# Altium PCB fpga.PcbDoc (part 10 of 11) (continued)
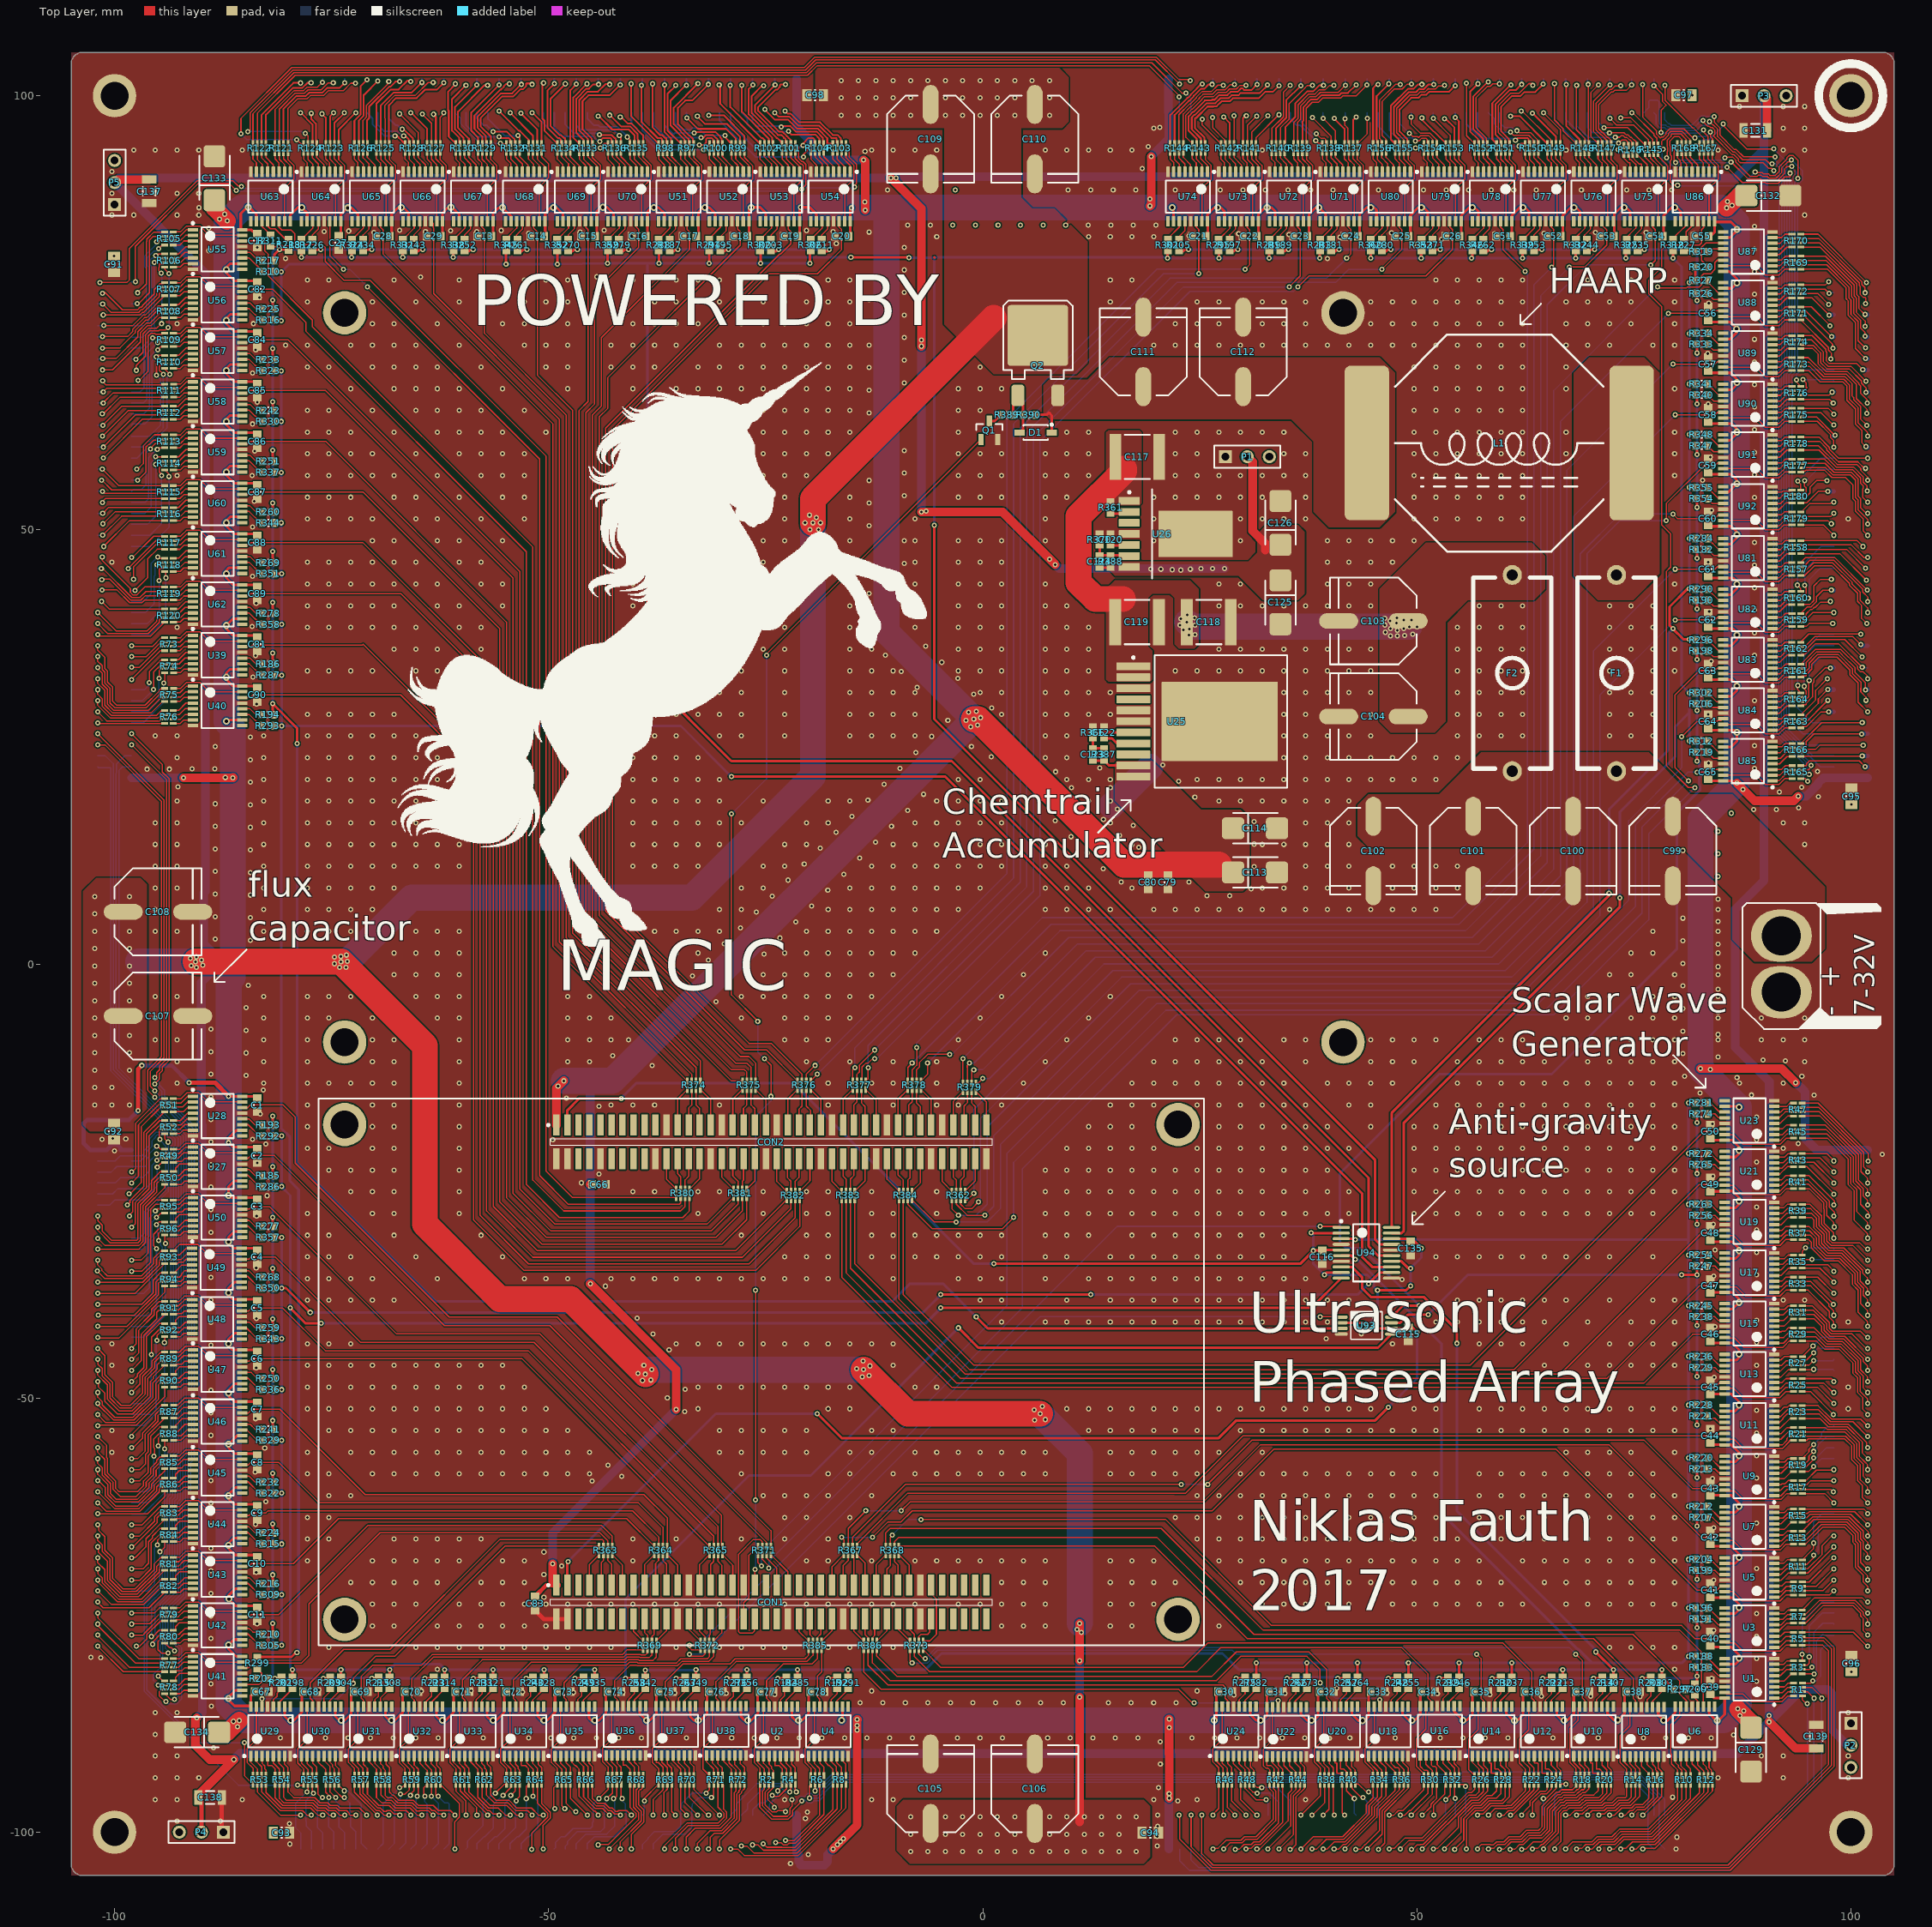
[diagram p0: Top Layer view]
## Nets (pads, with @x,y where several pads share a name; then routed paths per layer and width w, separated by ;. In a path a pad name is that pad's centre, name@x,y a point inside that pad or via, vN(x,y) a via of type N, cw(c..) or ccw(c..) an arc to the next point about the centre after c; other vN are vias at no path point) (continued)
NetR141_1: R141.1 U73.3 | length 2.4
  Top Layer w0.15: R141.1@29.98,93.472 29.98,92.732 30.439,92.273 U73.3@30.439,91.242
NetR141_2: R141.2 U73.2 | length 2.5
  Top Layer w0.15: R141.2@30.48,93.472 30.48,92.68 31.089,92.071 U73.2@31.089,91.242
NetR141_3: R141.3 U73.1 | length 2.5
  Top Layer w0.15: R141.3@30.98,93.472 30.98,92.732 31.739,91.973 U73.1@31.739,91.242
NetR141_4: R141.4 U73.15 | length 8.7
  Top Layer w0.15: U73.15@31.089,85.542 31.089,89.342 32.164,90.417 32.164,91.972 31.48,92.656 R141.4@31.48,93.472
NetR142_1: R142.1 U73.7 | length 2.4
  Top Layer w0.15: R142.1@27.444,93.48 27.444,92.698 27.839,92.303 U73.7@27.839,91.242
NetR142_2: R142.2 U73.6 | length 2.5
  Top Layer w0.15: R142.2@27.944,93.48 27.944,92.667 28.489,92.122 U73.6@28.489,91.242
NetR142_3: R142.3 U73.5 | length 2.5
  Top Layer w0.15: R142.3@28.444,93.48 28.444,92.843 29.139,92.148 U73.5@29.139,91.242
NetR142_4: R142.4 U73.4 | length 2.6
  Top Layer w0.15: R142.4@28.944,93.476 28.944,92.891 29.789,92.046 U73.4@29.789,91.242
NetR143_1: R143.1 U74.3 | length 2.4
  Top Layer w0.15: R143.1@24.138,93.472 24.138,92.732 24.597,92.273 U74.3@24.597,91.242
NetR143_2: R143.2 U74.2 | length 2.5
  Top Layer w0.15: R143.2@24.638,93.472 24.638,92.68 25.247,92.071 U74.2@25.247,91.242
NetR143_3: R143.3 U74.1 | length 2.5
  Top Layer w0.15: R143.3@25.138,93.472 25.138,92.732 25.897,91.973 U74.1@25.897,91.242
NetR143_4: R143.4 U74.15 | length 8.7
  Top Layer w0.15: U74.15@25.247,85.542 25.247,89.342 26.322,90.417 26.322,91.972 25.638,92.656 R143.4@25.638,93.472
NetR144_1: R144.1 U74.7 | length 2.4
  Top Layer w0.15: R144.1@21.602,93.48 21.602,92.698 21.997,92.303 U74.7@21.997,91.242
NetR144_2: R144.2 U74.6 | length 2.5
  Top Layer w0.15: R144.2@22.102,93.48 22.102,92.667 22.647,92.122 U74.6@22.647,91.242
NetR144_3: R144.3 U74.5 | length 2.5
  Top Layer w0.15: R144.3@22.602,93.48 22.602,92.843 23.297,92.148 U74.5@23.297,91.242
NetR144_4: R144.4 U74.4 | length 2.6
  Top Layer w0.15: R144.4@23.102,93.476 23.102,92.891 23.947,92.046 U74.4@23.947,91.242
NetR145_1: R145.1 U75.3 | length 2.5
  Top Layer w0.15: R145.1@76.288,93.328 76.288,92.952 77.175,92.065 U75.3@77.175,91.242
NetR145_2: R145.2 U75.2 | length 2.5
  Top Layer w0.15: R145.2@76.788,93.328 76.913,93.203 76.913,92.834 77.825,91.923 U75.2@77.825,91.242
NetR145_3: R145.3 U75.1 | length 2.6
  Top Layer w0.15: R145.3@77.288,93.328 77.288,92.993 77.301,92.98 77.34,92.98 77.413,92.907 77.413,92.834 77.545,92.703 77.545,92.651 78.475,91.721 U75.1@78.475,91.242
NetR145_4: R145.4 U75.15 | length 8.7
  Top Layer w0.15: R145.4@77.788,93.328 77.788,93.084 78.791,92.081 78.791,92.015 78.9,91.906 78.9,90.417 77.825,89.342 U75.15@77.825,85.542
NetR146_1: R146.1 U75.7 | length 2.9
  Top Layer w0.15: R146.1@73.863,93.259 73.711,93.412 73.711,92.939 74.346,92.303 74.575,92.303 U75.7@74.575,91.242
NetR146_2: R146.2 U75.6 | length 2.5
  Top Layer w0.15: R146.2@74.363,93.259 74.488,93.134 74.488,92.634 74.675,92.634 75.188,92.122 75.225,92.122 U75.6@75.225,91.242
NetR146_3: R146.3 U75.5 | length 2.6
  Top Layer w0.15: R146.3@74.863,93.259 74.863,92.891 75.332,92.422 75.349,92.422 75.624,92.148 75.875,92.148 U75.5@75.875,91.242
NetR146_4: R146.4 U75.4 | length 2.5
  Top Layer w0.15: R146.4@75.363,93.259 76.525,92.098 U75.4@76.525,91.242
NetR147_1: R147.1 U76.3 | length 2.4
  Top Layer w0.15: R147.1@70.874,93.472 70.874,92.732 71.333,92.273 U76.3@71.333,91.242
NetR147_2: R147.2 U76.2 | length 2.5
  Top Layer w0.15: R147.2@71.374,93.472 71.374,92.68 71.983,92.071 U76.2@71.983,91.242
NetR147_3: R147.3 U76.1 | length 2.5
  Top Layer w0.15: R147.3@71.874,93.472 71.874,92.732 72.633,91.973 U76.1@72.633,91.242
NetR147_4: R147.4 U76.15 | length 8.7
  Top Layer w0.15: U76.15@71.983,85.542 71.983,89.342 73.058,90.417 73.058,91.972 72.374,92.656 R147.4@72.374,93.472
NetR148_1: R148.1 U76.7 | length 2.4
  Top Layer w0.15: R148.1@68.338,93.48 68.338,92.698 68.733,92.303 U76.7@68.733,91.242
NetR148_2: R148.2 U76.6 | length 2.5
  Top Layer w0.15: R148.2@68.838,93.48 68.838,92.667 69.383,92.122 U76.6@69.383,91.242
NetR148_3: R148.3 U76.5 | length 2.5
  Top Layer w0.15: R148.3@69.338,93.48 69.338,92.843 70.033,92.148 U76.5@70.033,91.242
NetR148_4: R148.4 U76.4 | length 2.6
  Top Layer w0.15: R148.4@69.838,93.476 69.838,92.891 70.683,92.046 U76.4@70.683,91.242
NetR149_1: R149.1 U77.3 | length 2.4
  Top Layer w0.15: R149.1@65.032,93.472 65.032,92.732 65.491,92.273 U77.3@65.491,91.242
NetR149_2: R149.2 U77.2 | length 2.5
  Top Layer w0.15: R149.2@65.532,93.472 65.532,92.68 66.141,92.071 U77.2@66.141,91.242
NetR149_3: R149.3 U77.1 | length 2.5
  Top Layer w0.15: R149.3@66.032,93.472 66.032,92.732 66.791,91.973 U77.1@66.791,91.242
NetR149_4: R149.4 U77.15 | length 8.7
  Top Layer w0.15: U77.15@66.141,85.542 66.141,89.342 67.216,90.417 67.216,91.972 66.532,92.656 R149.4@66.532,93.472
NetR150_1: R150.1 U77.7 | length 2.4
  Top Layer w0.15: R150.1@62.496,93.48 62.496,92.698 62.891,92.303 U77.7@62.891,91.242
NetR150_2: R150.2 U77.6 | length 2.5
  Top Layer w0.15: R150.2@62.996,93.48 62.996,92.667 63.541,92.122 U77.6@63.541,91.242
NetR150_3: R150.3 U77.5 | length 2.5
  Top Layer w0.15: R150.3@63.496,93.48 63.496,92.843 64.191,92.148 U77.5@64.191,91.242
NetR150_4: R150.4 U77.4 | length 2.6
  Top Layer w0.15: R150.4@63.996,93.476 63.996,92.891 64.841,92.046 U77.4@64.841,91.242
NetR151_1: R151.1 U78.3 | length 2.4
  Top Layer w0.15: R151.1@59.19,93.472 59.19,92.732 59.649,92.273 U78.3@59.649,91.242
NetR151_2: R151.2 U78.2 | length 2.5
  Top Layer w0.15: R151.2@59.69,93.472 59.69,92.68 60.299,92.071 U78.2@60.299,91.242
NetR151_3: R151.3 U78.1 | length 2.5
  Top Layer w0.15: R151.3@60.19,93.472 60.19,92.732 60.949,91.973 U78.1@60.949,91.242
NetR151_4: R151.4 U78.15 | length 8.7
  Top Layer w0.15: U78.15@60.299,85.542 60.299,89.342 61.374,90.417 61.374,91.972 60.69,92.656 R151.4@60.69,93.472
NetR152_1: R152.1 U78.7 | length 2.4
  Top Layer w0.15: R152.1@56.654,93.48 56.654,92.698 57.049,92.303 U78.7@57.049,91.242
NetR152_2: R152.2 U78.6 | length 2.5
  Top Layer w0.15: R152.2@57.154,93.48 57.154,92.667 57.699,92.122 U78.6@57.699,91.242
NetR152_3: R152.3 U78.5 | length 2.5
  Top Layer w0.15: R152.3@57.654,93.48 57.654,92.843 58.349,92.148 U78.5@58.349,91.242
NetR152_4: R152.4 U78.4 | length 2.6
  Top Layer w0.15: R152.4@58.154,93.476 58.154,92.891 58.999,92.046 U78.4@58.999,91.242
NetR153_1: R153.1 U79.3 | length 2.4
  Top Layer w0.15: R153.1@53.348,93.472 53.348,92.732 53.807,92.273 U79.3@53.807,91.242
NetR153_2: R153.2 U79.2 | length 2.5
  Top Layer w0.15: R153.2@53.848,93.472 53.848,92.68 54.457,92.071 U79.2@54.457,91.242
NetR153_3: R153.3 U79.1 | length 2.5
  Top Layer w0.15: R153.3@54.348,93.472 54.348,92.732 55.107,91.973 U79.1@55.107,91.242
NetR153_4: R153.4 U79.15 | length 8.7
  Top Layer w0.15: U79.15@54.457,85.542 54.457,89.342 55.532,90.417 55.532,91.972 54.848,92.656 R153.4@54.848,93.472
NetR154_1: R154.1 U79.7 | length 2.4
  Top Layer w0.15: R154.1@50.812,93.48 50.812,92.698 51.207,92.303 U79.7@51.207,91.242
NetR154_2: R154.2 U79.6 | length 2.5
  Top Layer w0.15: R154.2@51.312,93.48 51.312,92.667 51.857,92.122 U79.6@51.857,91.242
NetR154_3: R154.3 U79.5 | length 2.5
  Top Layer w0.15: R154.3@51.812,93.48 51.812,92.843 52.507,92.148 U79.5@52.507,91.242
NetR154_4: R154.4 U79.4 | length 2.6
  Top Layer w0.15: R154.4@52.312,93.476 52.312,92.891 53.157,92.046 U79.4@53.157,91.242
NetR155_1: R155.1 U80.3 | length 2.4
  Top Layer w0.15: R155.1@47.506,93.472 47.506,92.732 47.965,92.273 U80.3@47.965,91.242
NetR155_2: R155.2 U80.2 | length 2.5
  Top Layer w0.15: R155.2@48.006,93.472 48.006,92.68 48.615,92.071 U80.2@48.615,91.242
NetR155_3: R155.3 U80.1 | length 2.5
  Top Layer w0.15: R155.3@48.506,93.472 48.506,92.732 49.265,91.973 U80.1@49.265,91.242
NetR155_4: R155.4 U80.15 | length 8.7
  Top Layer w0.15: U80.15@48.615,85.542 48.615,89.342 49.69,90.417 49.69,91.972 49.006,92.656 R155.4@49.006,93.472
NetR156_1: R156.1 U80.7 | length 2.4
  Top Layer w0.15: R156.1@44.97,93.48 44.97,92.698 45.365,92.303 U80.7@45.365,91.242
NetR156_2: R156.2 U80.6 | length 2.5
  Top Layer w0.15: R156.2@45.47,93.48 45.47,92.667 46.015,92.122 U80.6@46.015,91.242
NetR156_3: R156.3 U80.5 | length 2.5
  Top Layer w0.15: R156.3@45.97,93.48 45.97,92.843 46.665,92.148 U80.5@46.665,91.242
NetR156_4: R156.4 U80.4 | length 2.6
  Top Layer w0.15: R156.4@46.47,93.476 46.47,92.891 47.315,92.046 U80.4@47.315,91.242
NetR157_1: R157.1 U81.3 | length 2.4
  Top Layer w0.15: U81.3@90.988,45.761 92.019,45.761 92.478,46.22 R157.1@93.218,46.22
NetR157_2: R157.2 U81.2 | length 2.5
  Top Layer w0.15: U81.2@90.988,45.111 91.817,45.111 92.426,45.72 R157.2@93.218,45.72
NetR157_3: R157.3 U81.1 | length 2.5
  Top Layer w0.15: U81.1@90.988,44.461 91.719,44.461 92.478,45.22 R157.3@93.218,45.22
NetR157_4: R157.4 U81.15 | length 8.7
  Top Layer w0.15: U81.15@85.288,45.111 89.088,45.111 90.163,44.036 91.718,44.036 92.402,44.72 R157.4@93.218,44.72
NetR158_1: R158.1 U81.7 | length 2.4
  Top Layer w0.15: U81.7@90.988,48.361 92.049,48.361 92.444,48.756 R158.1@93.226,48.756
NetR158_2: R158.2 U81.6 | length 2.5
  Top Layer w0.15: U81.6@90.988,47.711 91.868,47.711 92.413,48.256 R158.2@93.226,48.256
NetR158_3: R158.3 U81.5 | length 2.5
  Top Layer w0.15: U81.5@90.988,47.061 91.894,47.061 92.589,47.756 R158.3@93.226,47.756
NetR158_4: R158.4 U81.4 | length 2.6
  Top Layer w0.15: U81.4@90.988,46.411 91.792,46.411 92.637,47.256 R158.4@93.222,47.256
NetR159_1: R159.1 U82.3 | length 2.4
  Top Layer w0.15: U82.3@90.988,39.919 92.019,39.919 92.478,40.378 R159.1@93.218,40.378
NetR159_2: R159.2 U82.2 | length 2.5
  Top Layer w0.15: U82.2@90.988,39.269 91.817,39.269 92.426,39.878 R159.2@93.218,39.878
NetR159_3: R159.3 U82.1 | length 2.5
  Top Layer w0.15: U82.1@90.988,38.619 91.719,38.619 92.478,39.378 R159.3@93.218,39.378
NetR159_4: R159.4 U82.15 | length 8.7
  Top Layer w0.15: U82.15@85.288,39.269 89.088,39.269 90.163,38.194 91.718,38.194 92.402,38.878 R159.4@93.218,38.878
NetR160_1: R160.1 U82.7 | length 2.4
  Top Layer w0.15: U82.7@90.988,42.519 92.049,42.519 92.444,42.914 R160.1@93.226,42.914
NetR160_2: R160.2 U82.6 | length 2.5
  Top Layer w0.15: U82.6@90.988,41.869 91.868,41.869 92.413,42.414 R160.2@93.226,42.414
NetR160_3: R160.3 U82.5 | length 2.5
  Top Layer w0.15: U82.5@90.988,41.219 91.894,41.219 92.589,41.914 R160.3@93.226,41.914
NetR160_4: R160.4 U82.4 | length 2.6
  Top Layer w0.15: U82.4@90.988,40.569 91.792,40.569 92.637,41.414 R160.4@93.222,41.414
NetR161_1: R161.1 U83.3 | length 2.4
  Top Layer w0.15: U83.3@90.988,34.077 92.019,34.077 92.478,34.536 R161.1@93.218,34.536
NetR161_2: R161.2 U83.2 | length 2.5
  Top Layer w0.15: U83.2@90.988,33.427 91.817,33.427 92.426,34.036 R161.2@93.218,34.036
NetR161_3: R161.3 U83.1 | length 2.5
  Top Layer w0.15: U83.1@90.988,32.777 91.719,32.777 92.478,33.536 R161.3@93.218,33.536
NetR161_4: R161.4 U83.15 | length 8.7
  Top Layer w0.15: U83.15@85.288,33.427 89.088,33.427 90.163,32.352 91.718,32.352 92.402,33.036 R161.4@93.218,33.036
NetR162_1: R162.1 U83.7 | length 2.4
  Top Layer w0.15: U83.7@90.988,36.677 92.049,36.677 92.444,37.072 R162.1@93.226,37.072
NetR162_2: R162.2 U83.6 | length 2.5
  Top Layer w0.15: U83.6@90.988,36.027 91.868,36.027 92.413,36.572 R162.2@93.226,36.572
NetR162_3: R162.3 U83.5 | length 2.5
  Top Layer w0.15: U83.5@90.988,35.377 91.894,35.377 92.589,36.072 R162.3@93.226,36.072
NetR162_4: R162.4 U83.4 | length 2.6
  Top Layer w0.15: U83.4@90.988,34.727 91.792,34.727 92.637,35.572 R162.4@93.222,35.572
NetR163_1: R163.1 U84.3 | length 2.4
  Top Layer w0.15: U84.3@90.988,28.235 92.019,28.235 92.478,28.694 R163.1@93.218,28.694
NetR163_2: R163.2 U84.2 | length 2.5
  Top Layer w0.15: U84.2@90.988,27.585 91.817,27.585 92.426,28.194 R163.2@93.218,28.194
NetR163_3: R163.3 U84.1 | length 2.5
  Top Layer w0.15: U84.1@90.988,26.935 91.719,26.935 92.478,27.694 R163.3@93.218,27.694
NetR163_4: R163.4 U84.15 | length 8.7
  Top Layer w0.15: U84.15@85.288,27.585 89.088,27.585 90.163,26.51 91.718,26.51 92.402,27.194 R163.4@93.218,27.194
NetR164_1: R164.1 U84.7 | length 2.4
  Top Layer w0.15: U84.7@90.988,30.835 92.049,30.835 92.444,31.23 R164.1@93.226,31.23
NetR164_2: R164.2 U84.6 | length 2.5
  Top Layer w0.15: U84.6@90.988,30.185 91.868,30.185 92.413,30.73 R164.2@93.226,30.73
NetR164_3: R164.3 U84.5 | length 2.5
  Top Layer w0.15: U84.5@90.988,29.535 91.894,29.535 92.589,30.23 R164.3@93.226,30.23
NetR164_4: R164.4 U84.4 | length 2.6
  Top Layer w0.15: U84.4@90.988,28.885 91.792,28.885 92.637,29.73 R164.4@93.222,29.73
NetR165_1: R165.1 U85.3 | length 2.4
  Top Layer w0.15: U85.3@90.988,22.393 92.019,22.393 92.478,22.852 R165.1@93.218,22.852
NetR165_2: R165.2 U85.2 | length 2.5
  Top Layer w0.15: U85.2@90.988,21.743 91.817,21.743 92.426,22.352 R165.2@93.218,22.352
NetR165_3: R165.3 U85.1 | length 2.5
  Top Layer w0.15: U85.1@90.988,21.093 91.719,21.093 92.478,21.852 R165.3@93.218,21.852
NetR165_4: R165.4 U85.15 | length 8.7
  Top Layer w0.15: U85.15@85.288,21.743 89.088,21.743 90.163,20.668 91.718,20.668 92.402,21.352 R165.4@93.218,21.352
NetR166_1: R166.1 U85.7 | length 2.4
  Top Layer w0.15: U85.7@90.988,24.993 92.049,24.993 92.444,25.388 R166.1@93.226,25.388
NetR166_2: R166.2 U85.6 | length 2.5
  Top Layer w0.15: U85.6@90.988,24.343 91.868,24.343 92.413,24.888 R166.2@93.226,24.888
NetR166_3: R166.3 U85.5 | length 2.5
  Top Layer w0.15: U85.5@90.988,23.693 91.894,23.693 92.589,24.388 R166.3@93.226,24.388
NetR166_4: R166.4 U85.4 | length 2.6
  Top Layer w0.15: U85.4@90.988,23.043 91.792,23.043 92.637,23.888 R166.4@93.222,23.888
NetR167_1: R167.1 U86.3 | length 2.4
  Top Layer w0.15: R167.1@82.558,93.472 82.558,92.732 83.017,92.273 U86.3@83.017,91.242
NetR167_2: R167.2 U86.2 | length 2.5
  Top Layer w0.15: R167.2@83.058,93.472 83.058,92.68 83.667,92.071 U86.2@83.667,91.242
NetR167_3: R167.3 U86.1 | length 2.5
  Top Layer w0.15: R167.3@83.558,93.472 83.558,92.732 84.317,91.973 U86.1@84.317,91.242
NetR167_4: R167.4 U86.15 | length 8.7
  Top Layer w0.15: U86.15@83.667,85.542 83.667,89.342 84.742,90.417 84.742,91.972 84.058,92.656 R167.4@84.058,93.472
NetR168_1: R168.1 U86.7 | length 2.4
  Top Layer w0.15: R168.1@80.022,93.48 80.022,92.856 80.332,92.546 80.332,92.388 80.417,92.303 U86.7@80.417,91.242
NetR168_2: R168.2 U86.6 | length 2.5
  Top Layer w0.15: R168.2@80.522,93.48 80.632,93.37 80.632,92.557 81.067,92.122 U86.6@81.067,91.242
NetR168_3: R168.3 U86.5 | length 2.5
  Top Layer w0.15: R168.3@81.022,93.48 81.022,92.843 81.717,92.148 U86.5@81.717,91.242
NetR168_4: R168.4 U86.4 | length 2.6
  Top Layer w0.15: R168.4@81.522,93.476 81.522,92.891 82.367,92.046 U86.4@82.367,91.242
NetR169_1: R169.1 U87.3 | length 2.4
  Top Layer w0.15: U87.3@90.988,81.067 92.019,81.067 92.478,81.526 R169.1@93.218,81.526
NetR169_2: R169.2 U87.2 | length 2.5
  Top Layer w0.15: U87.2@90.988,80.417 91.817,80.417 92.426,81.026 R169.2@93.218,81.026
NetR169_3: R169.3 U87.1 | length 2.5
  Top Layer w0.15: U87.1@90.988,79.767 91.719,79.767 92.478,80.526 R169.3@93.218,80.526
NetR169_4: R169.4 U87.15 | length 8.7
  Top Layer w0.15: U87.15@85.288,80.417 89.088,80.417 90.163,79.342 91.718,79.342 92.402,80.026 R169.4@93.218,80.026
NetR170_1: R170.1 U87.7 | length 2.4
  Top Layer w0.15: U87.7@90.988,83.667 92.049,83.667 92.444,84.062 R170.1@93.226,84.062
NetR170_2: R170.2 U87.6 | length 2.5
  Top Layer w0.15: U87.6@90.988,83.017 91.868,83.017 92.413,83.562 R170.2@93.226,83.562
NetR170_3: R170.3 U87.5 | length 2.5
  Top Layer w0.15: U87.5@90.988,82.367 91.894,82.367 92.589,83.062 R170.3@93.226,83.062
NetR170_4: R170.4 U87.4 | length 2.6
  Top Layer w0.15: U87.4@90.988,81.717 91.792,81.717 92.637,82.562 R170.4@93.222,82.562
NetR171_1: R171.1 U88.3 | length 2.4
  Top Layer w0.15: U88.3@90.988,75.225 92.019,75.225 92.478,75.684 R171.1@93.218,75.684
NetR171_2: R171.2 U88.2 | length 2.5
  Top Layer w0.15: U88.2@90.988,74.575 91.817,74.575 92.426,75.184 R171.2@93.218,75.184
NetR171_3: R171.3 U88.1 | length 2.5
  Top Layer w0.15: U88.1@90.988,73.925 91.719,73.925 92.478,74.684 R171.3@93.218,74.684
NetR171_4: R171.4 U88.15 | length 8.7
  Top Layer w0.15: U88.15@85.288,74.575 89.088,74.575 90.163,73.5 91.718,73.5 92.402,74.184 R171.4@93.218,74.184
NetR172_1: R172.1 U88.7 | length 2.4
  Top Layer w0.15: U88.7@90.988,77.825 92.049,77.825 92.444,78.22 R172.1@93.226,78.22
NetR172_2: R172.2 U88.6 | length 2.5
  Top Layer w0.15: U88.6@90.988,77.175 91.868,77.175 92.413,77.72 R172.2@93.226,77.72
NetR172_3: R172.3 U88.5 | length 2.5
  Top Layer w0.15: U88.5@90.988,76.525 91.894,76.525 92.589,77.22 R172.3@93.226,77.22
NetR172_4: R172.4 U88.4 | length 2.6
  Top Layer w0.15: U88.4@90.988,75.875 91.792,75.875 92.637,76.72 R172.4@93.222,76.72
NetR173_1: R173.1 U89.3 | length 2.4
  Top Layer w0.15: U89.3@90.988,69.383 92.019,69.383 92.478,69.842 R173.1@93.218,69.842
NetR173_2: R173.2 U89.2 | length 2.5
  Top Layer w0.15: U89.2@90.988,68.733 91.817,68.733 92.426,69.342 R173.2@93.218,69.342
NetR173_3: R173.3 U89.1 | length 2.5
  Top Layer w0.15: U89.1@90.988,68.083 91.719,68.083 92.478,68.842 R173.3@93.218,68.842
NetR173_4: R173.4 U89.15 | length 8.7
  Top Layer w0.15: U89.15@85.288,68.733 89.088,68.733 90.163,67.658 91.718,67.658 92.402,68.342 R173.4@93.218,68.342
NetR174_1: R174.1 U89.7 | length 2.4
  Top Layer w0.15: U89.7@90.988,71.983 92.049,71.983 92.444,72.378 R174.1@93.226,72.378
NetR174_2: R174.2 U89.6 | length 2.5
  Top Layer w0.15: U89.6@90.988,71.333 91.868,71.333 92.413,71.878 R174.2@93.226,71.878
NetR174_3: R174.3 U89.5 | length 2.5
  Top Layer w0.15: U89.5@90.988,70.683 91.894,70.683 92.589,71.378 R174.3@93.226,71.378
NetR174_4: R174.4 U89.4 | length 2.6
  Top Layer w0.15: U89.4@90.988,70.033 91.792,70.033 92.637,70.878 R174.4@93.222,70.878
NetR175_1: R175.1 U90.3 | length 2.4
  Top Layer w0.15: U90.3@90.988,63.541 92.019,63.541 92.478,64 R175.1@93.218,64
NetR175_2: R175.2 U90.2 | length 2.5
  Top Layer w0.15: U90.2@90.988,62.891 91.817,62.891 92.426,63.5 R175.2@93.218,63.5
NetR175_3: R175.3 U90.1 | length 2.5
  Top Layer w0.15: U90.1@90.988,62.241 91.719,62.241 92.478,63 R175.3@93.218,63
NetR175_4: R175.4 U90.15 | length 8.7
  Top Layer w0.15: U90.15@85.288,62.891 89.088,62.891 90.163,61.816 91.718,61.816 92.402,62.5 R175.4@93.218,62.5
NetR176_1: R176.1 U90.7 | length 2.4
  Top Layer w0.15: U90.7@90.988,66.141 92.049,66.141 92.444,66.536 R176.1@93.226,66.536
NetR176_2: R176.2 U90.6 | length 2.5
  Top Layer w0.15: U90.6@90.988,65.491 91.868,65.491 92.413,66.036 R176.2@93.226,66.036
NetR176_3: R176.3 U90.5 | length 2.5
  Top Layer w0.15: U90.5@90.988,64.841 91.894,64.841 92.589,65.536 R176.3@93.226,65.536
NetR176_4: R176.4 U90.4 | length 2.6
  Top Layer w0.15: U90.4@90.988,64.191 91.792,64.191 92.637,65.036 R176.4@93.222,65.036
NetR177_1: R177.1 U91.3 | length 2.4
  Top Layer w0.15: U91.3@90.988,57.699 92.019,57.699 92.478,58.158 R177.1@93.218,58.158
NetR177_2: R177.2 U91.2 | length 2.5
  Top Layer w0.15: U91.2@90.988,57.049 91.817,57.049 92.426,57.658 R177.2@93.218,57.658
NetR177_3: R177.3 U91.1 | length 2.5
  Top Layer w0.15: U91.1@90.988,56.399 91.719,56.399 92.478,57.158 R177.3@93.218,57.158
NetR177_4: R177.4 U91.15 | length 8.7
  Top Layer w0.15: U91.15@85.288,57.049 89.088,57.049 90.163,55.974 91.718,55.974 92.402,56.658 R177.4@93.218,56.658
NetR178_1: R178.1 U91.7 | length 2.4
  Top Layer w0.15: U91.7@90.988,60.299 92.049,60.299 92.444,60.694 R178.1@93.226,60.694
NetR178_2: R178.2 U91.6 | length 2.5
  Top Layer w0.15: U91.6@90.988,59.649 91.868,59.649 92.413,60.194 R178.2@93.226,60.194
NetR178_3: R178.3 U91.5 | length 2.5
  Top Layer w0.15: U91.5@90.988,58.999 91.894,58.999 92.589,59.694 R178.3@93.226,59.694
NetR178_4: R178.4 U91.4 | length 2.6
  Top Layer w0.15: U91.4@90.988,58.349 91.792,58.349 92.637,59.194 R178.4@93.222,59.194
NetR179_1: R179.1 U92.3 | length 2.4
  Top Layer w0.15: U92.3@90.988,51.73 92.019,51.73 92.347,52.058 R179.1@93.226,52.058
NetR179_2: R179.2 U92.2 | length 2.4
  Top Layer w0.15: U92.2@90.988,51.08 91.817,51.08 92.295,51.558 R179.2@93.226,51.558
NetR179_3: R179.3 U92.1 | length 2.5
  Top Layer w0.15: U92.1@90.988,50.43 91.719,50.43 92.347,51.058 R179.3@93.226,51.058
NetR179_4: R179.4 U92.15 | length 8.6
  Top Layer w0.15: U92.15@85.288,51.08 89.088,51.08 90.163,50.005 91.718,50.005 92.271,50.558 R179.4@93.226,50.558
NetR180_1: R180.1 U92.7 | length 2.3
  Top Layer w0.15: U92.7@90.988,54.33 92.049,54.33 92.192,54.473 93.101,54.473 R180.1@93.226,54.598
NetR180_2: R180.2 U92.6 | length 2.4
  Top Layer w0.15: U92.6@90.988,53.68 91.868,53.68 92.286,54.098 R180.2@93.226,54.098
NetR180_3: R180.3 U92.5 | length 2.5
  Top Layer w0.15: U92.5@90.988,53.03 91.894,53.03 92.462,53.598 R180.3@93.226,53.598
NetR180_4: R180.4 U92.4 | length 2.5
  Top Layer w0.15: U92.4@90.988,52.38 91.792,52.38 92.51,53.098 R180.4@93.226,53.098
NetR181_2: R181.2 U71.12 | length 2.3
  Top Layer w0.15: R181.2@40.132,83.504 40.132,83.972 40.823,84.663 U71.12@40.823,85.542
NetR182_2: R182.2 U81.12 | length 2.1
  Top Layer w0.15: R182.2@83.504,47.752 84.195,47.061 U81.12@85.288,47.061
NetR183_2: R183.2 U1.12 | length 2.4
  Top Layer w0.15: R183.2@83.504,-81.026 83.82,-81.026 84.765,-81.971 U1.12@85.47,-81.971
NetR184_2: R184.2 U2.12 | length 2.3
  Top Layer w0.15: U2.12@-23.297,-85.542 -23.297,-84.765 -22.86,-84.328 -22.86,-83.758 R184.2@-22.606,-83.504
NetR185_2: R185.2 U27.12 | length 2.6
  Top Layer w0.15: U27.12@-85.288,-23.693 -84.511,-23.693 -83.82,-24.384 R185.2@-82.996,-24.384
NetR186_2: R186.2 U39.12 | length 2.3
  Top Layer w0.15: U39.12@-85.288,35.235 -84.409,35.235 -83.718,34.544 R186.2@-83.25,34.544
NetR187_2: R187.2 U51.12 | length 2.3
  Top Layer w0.15: R187.2@-36.068,83.504 -36.068,83.972 -35.377,84.663 U51.12@-35.377,85.542
NetR188_2: R188.2 U1.11 | length 2.8
  Top Layer w0.15: R188.2@83.504,-79.756 83.504,-79.948 83.907,-80.351 83.947,-80.351 84.079,-80.483 84.079,-80.523 84.877,-81.321 U1.11@85.47,-81.321
NetR189_2: R189.2 U72.12 | length 2.3
  Top Layer w0.15: R189.2@34.29,83.504 34.29,83.972 34.981,84.663 U72.12@34.981,85.542
NetR190_2: R190.2 U82.12 | length 2.1
  Top Layer w0.15: R190.2@83.504,41.91 84.195,41.219 U82.12@85.288,41.219
NetR191_2: R191.2 U3.12 | length 2.3
  Top Layer w0.15: R191.2@83.504,-75.438 84.074,-75.438 84.765,-76.129 U3.12@85.47,-76.129
NetR192_2: R192.2 U4.12 | length 2.3
  Top Layer w0.15: U4.12@-17.455,-85.542 -17.455,-84.765 -16.764,-84.074 R192.2@-16.764,-83.504
NetR193_2: R193.2 U28.12 | length 2.6
  Top Layer w0.15: U28.12@-85.288,-17.851 -84.511,-17.851 -83.82,-18.542 R193.2@-82.996,-18.542
NetR194_2: R194.2 U40.12 | length 2.3
  Top Layer w0.15: U40.12@-85.288,29.393 -84.409,29.393 -83.718,28.702 R194.2@-83.25,28.702
NetR195_2: R195.2 U52.12 | length 2.3
  Top Layer w0.15: R195.2@-30.237,83.306 -30.237,83.774 -29.546,84.465 U52.12@-29.546,85.344
NetR196_2: R196.2 U3.11 | length 2.5
  Top Layer w0.15: R196.2@83.504,-74.168 83.566,-74.168 84.877,-75.479 U3.11@85.47,-75.479
NetR197_2: R197.2 U73.12 | length 2.3
  Top Layer w0.15: R197.2@28.448,83.504 28.448,83.972 29.139,84.663 U73.12@29.139,85.542
NetR198_2: R198.2 U83.12 | length 2.1
  Top Layer w0.15: R198.2@83.504,36.068 84.195,35.377 U83.12@85.288,35.377
NetR199_2: R199.2 U5.12 | length 2.2
  Top Layer w0.15: R199.2@83.504,-69.85 84.328,-69.85 84.823,-70.345 U5.12@85.47,-70.345
NetR200_2: R200.2 U6.12 | length 1.4
  Top Layer w0.15: R200.2@82.042,-84.266 82.042,-84.582 82.367,-84.907 U6.12@82.367,-85.542
NetR201_2: R201.2 U29.12 | length 2.4
  Top Layer w0.15: U29.12@-81.717,-85.542 -81.717,-84.765 -81.28,-84.328 -81.28,-84.012 R201.2@-80.772,-83.504
NetR202_2: R202.2 U41.12 | length 1.6
  Top Layer w0.15: U41.12@-85.288,-82.367 -83.829,-82.367 R202.2@-83.758,-82.296
NetR203_2: R203.2 U53.12 | length 2.3
  Top Layer w0.15: R203.2@-24.384,83.504 -24.384,83.972 -23.693,84.663 U53.12@-23.693,85.542
NetR204_2: R204.2 U5.11 | length 2.4
  Top Layer w0.15: R204.2@83.504,-68.58 83.82,-68.58 84.935,-69.695 U5.11@85.47,-69.695
NetR205_2: R205.2 U74.12 | length 2.3
  Top Layer w0.15: R205.2@22.595,83.306 22.595,83.774 23.286,84.465 U74.12@23.286,85.344
NetR206_2: R206.2 U84.12 | length 2
  Top Layer w0.15: R206.2@83.504,29.972 83.941,29.535 U84.12@85.288,29.535
NetR207_2: R207.2 U7.12 | length 2.3
  Top Layer w0.15: R207.2@83.504,-63.754 84.074,-63.754 84.807,-64.487 U7.12@85.47,-64.487
NetR208_2: R208.2 U8.12 | length 2.3
  Top Layer w0.15: U8.12@76.514,-85.598 76.514,-84.776 76.962,-84.328 R208.2@76.962,-83.504
NetR209_2: R209.2 U30.12 | length 2.3
  Top Layer w0.15: U30.12@-75.875,-85.542 -75.875,-84.511 -75.184,-83.82 R209.2@-75.184,-83.504
NetR210_2: R210.2 U42.12 | length 2.6
  Top Layer w0.15: U42.12@-85.288,-76.525 -84.511,-76.525 -84.074,-76.962 -83.25,-76.962 R210.2@-82.996,-77.216
NetR211_2: R211.2 U54.12 | length 2.3
  Top Layer w0.15: R211.2@-18.542,83.504 -18.542,83.972 -17.851,84.663 U54.12@-17.851,85.542
NetR212_2: R212.2 U7.11 | length 2.5
  Top Layer w0.15: R212.2@83.504,-62.484 83.566,-62.484 84.919,-63.837 U7.11@85.47,-63.837
NetR213_2: R213.2 U9.12 | length 2.2
  Top Layer w0.15: R213.2@83.504,-58.166 84.328,-58.166 84.823,-58.661 U9.12@85.47,-58.661
NetR214_2: R214.2 U10.12 | length 2.3
  Top Layer w0.15: U10.12@70.683,-85.542 70.683,-84.765 71.374,-84.074 R214.2@71.374,-83.504
NetR215_2: R215.2 U31.12 | length 2.2
  Top Layer w0.15: U31.12@-70.033,-85.542 -70.033,-84.765 -69.596,-84.328 R215.2@-69.596,-83.504
NetR216_2: R216.2 U43.12 | length 2.6
  Top Layer w0.15: U43.12@-85.288,-70.683 -84.511,-70.683 -83.82,-71.374 R216.2@-82.996,-71.374
NetR217_2: R217.2 U55.12 | length 2.3
  Top Layer w0.15: U55.12@-85.288,81.971 -84.409,81.971 -83.718,81.28 R217.2@-83.25,81.28
NetR218_2: R218.2 U63.12 | length 3.8
  Top Layer w0.15: U63.12@-82.367,85.542 -82.367,84.983 -82.067,84.684 -81.509,84.684 -80.329,83.504 R218.2@-79.756,83.504
NetR219_2: R219.2 U85.12 | length 2.1
  Top Layer w0.15: R219.2@83.504,24.384 84.195,23.693 U85.12@85.288,23.693
NetR220_2: R220.2 U9.11 | length 2.4
  Top Layer w0.15: R220.2@83.504,-56.896 83.82,-56.896 84.935,-58.011 U9.11@85.47,-58.011
NetR221_2: R221.2 U11.12 | length 2.3
  Top Layer w0.15: R221.2@83.504,-52.07 83.758,-52.324 84.328,-52.324 84.807,-52.803 U11.12@85.47,-52.803
NetR222_2: R222.2 U12.12 | length 2.3
  Top Layer w0.15: U12.12@64.841,-85.542 64.841,-84.765 65.532,-84.074 R222.2@65.532,-83.504
NetR223_2: R223.2 U32.12 | length 2.4
  Top Layer w0.15: U32.12@-64.191,-85.542 -64.191,-85.019 -63.5,-84.328 -63.5,-83.758 R223.2@-63.246,-83.504
NetR224_2: R224.2 U44.12 | length 2.6
  Top Layer w0.15: U44.12@-85.288,-64.841 -84.511,-64.841 -83.82,-65.532 R224.2@-82.996,-65.532
NetR225_2: R225.2 U56.12 | length 2.3
  Top Layer w0.15: U56.12@-85.288,76.129 -84.409,76.129 -83.718,75.438 R225.2@-83.25,75.438
NetR226_2: R226.2 U64.12 | length 2.3
  Top Layer w0.15: R226.2@-77.216,83.504 -77.216,83.972 -76.525,84.663 U64.12@-76.525,85.542
NetR227_2: R227.2 U86.12 | length 2.3
  Top Layer w0.15: R227.2@81.026,83.504 81.026,84.328 81.717,85.019 U86.12@81.717,85.542
NetR228_2: R228.2 U11.11 | length 2.5
  Top Layer w0.15: R228.2@83.504,-50.8 83.566,-50.8 84.919,-52.153 U11.11@85.47,-52.153
NetR229_2: R229.2 U13.12 | length 2.1
  Top Layer w0.15: R229.2@83.504,-46.482 84.328,-46.482 84.765,-46.919 U13.12@85.47,-46.919
NetR230_2: R230.2 U14.12 | length 2.3
  Top Layer w0.15: U14.12@58.999,-85.542 58.999,-84.765 59.69,-84.074 R230.2@59.69,-83.504
NetR231_2: R231.2 U33.12 | length 2.3
  Top Layer w0.15: U33.12@-58.349,-85.542 -58.349,-84.765 -57.658,-84.074 R231.2@-57.658,-83.504
NetR232_2: R232.2 U45.12 | length 2.6
  Top Layer w0.15: U45.12@-85.288,-58.999 -84.511,-58.999 -83.82,-59.69 R232.2@-82.996,-59.69
NetR233_2: R233.2 U57.12 | length 2.3
  Top Layer w0.15: U57.12@-85.288,70.287 -84.409,70.287 -83.718,69.596 R233.2@-83.25,69.596
NetR234_2: R234.2 U65.12 | length 2.3
  Top Layer w0.15: R234.2@-71.374,83.504 -71.374,83.972 -70.683,84.663 U65.12@-70.683,85.542
NetR235_2: R235.2 U75.12 | length 2.3
  Top Layer w0.15: R235.2@75.184,83.504 75.184,83.972 75.875,84.663 U75.12@75.875,85.542
NetR236_2: R236.2 U13.11 | length 2.4
  Top Layer w0.15: R236.2@83.504,-45.212 83.82,-45.212 84.877,-46.269 U13.11@85.47,-46.269
NetR237_2: R237.2 U14.11 | length 2.6
  Top Layer w0.15: U14.11@59.649,-85.542 59.649,-84.877 60.96,-83.566 R237.2@60.96,-83.504
NetR238_2: R238.2 U15.12 | length 2.1
  Top Layer w0.15: R238.2@83.504,-40.64 84.328,-40.64 84.765,-41.077 U15.12@85.47,-41.077
NetR239_2: R239.2 U16.12 | length 2.2
  Top Layer w0.15: U16.12@53.004,-85.486 53.004,-84.664 53.594,-84.074 R239.2@53.594,-83.504
NetR240_2: R240.2 U34.12 | length 2.3
  Top Layer w0.15: U34.12@-52.507,-85.542 -52.507,-84.765 -52.07,-84.328 -52.07,-83.758 R240.2@-51.816,-83.504